# KiCad board panel_rp2354_20x20.kicad_pcb (continued)
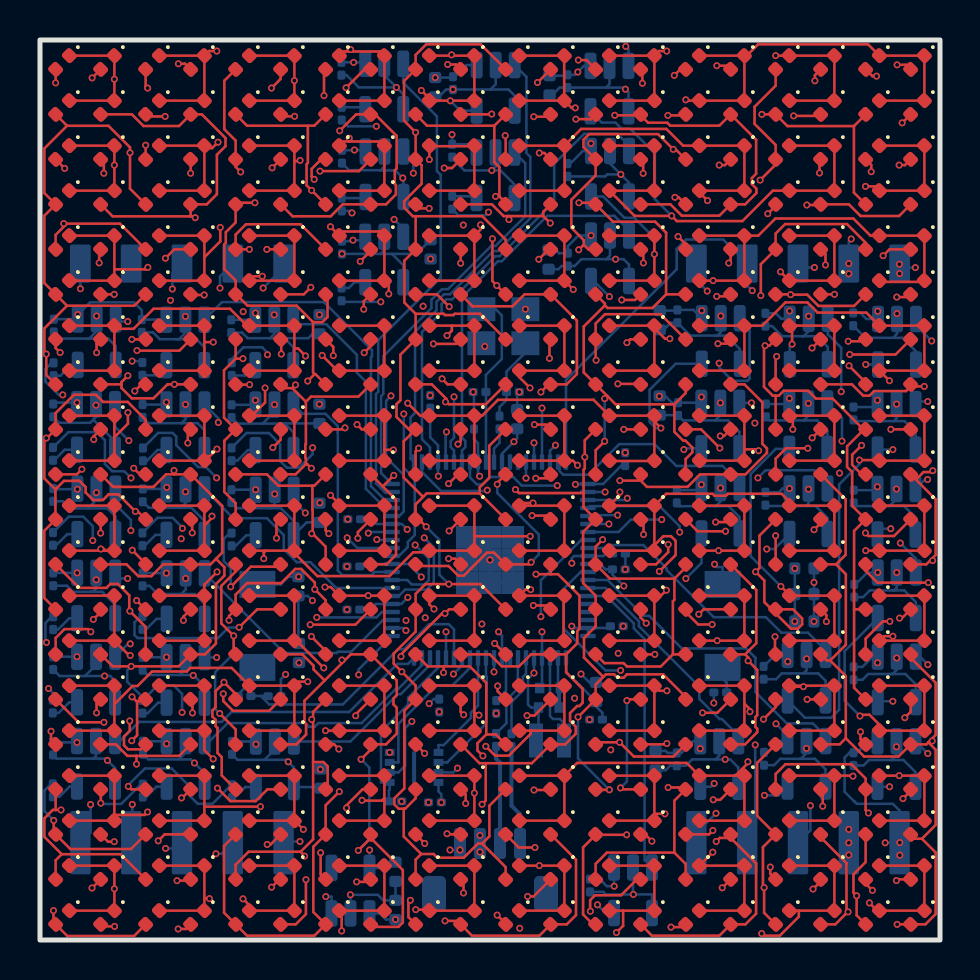
[diagram p0: board, top side]
## Placement (name value [footprint] x y rotation side) (continued)
D348  LED_T1  [LED_0402_1005Metric]  39.38 12.38 225 top
D349  LED_T1  [LED_0402_1005Metric]  39.38 7.88 225 top
D350  LED_T1  [LED_0402_1005Metric]  39.38 3.38 225 top
D351  LED_T1  [LED_0402_1005Metric]  43.88 3.38 225 top
D352  LED_T1  [LED_0402_1005Metric]  43.88 7.88 225 top
D353  LED_T1  [LED_0402_1005Metric]  43.88 12.38 225 top
D354  LED_T1  [LED_0402_1005Metric]  43.88 16.88 225 top
D355  LED_T1  [LED_0402_1005Metric]  43.88 21.38 225 top
D356  LED_T1  [LED_0402_1005Metric]  43.88 25.88 225 top
D357  LED_T1  [LED_0402_1005Metric]  43.88 30.38 225 top
D358  LED_T1  [LED_0402_1005Metric]  43.88 34.88 225 top
D359  LED_T1  [LED_0402_1005Metric]  43.88 39.38 225 top
D360  LED_T1  [LED_0402_1005Metric]  43.88 43.88 225 top
D361  LED_T2  [LED_0402_1005Metric]  37.12 41.62 225 top
D362  LED_T2  [LED_0402_1005Metric]  37.12 37.12 225 top
D363  LED_T2  [LED_0402_1005Metric]  37.12 32.62 225 top
D364  LED_T2  [LED_0402_1005Metric]  37.12 28.12 225 top
D365  LED_T2  [LED_0402_1005Metric]  37.12 23.62 225 top
D366  LED_T2  [LED_0402_1005Metric]  37.12 19.12 225 top
D367  LED_T2  [LED_0402_1005Metric]  37.12 14.62 225 top
D368  LED_T2  [LED_0402_1005Metric]  37.12 10.12 225 top
D369  LED_T2  [LED_0402_1005Metric]  37.12 5.62 225 top
D370  LED_T2  [LED_0402_1005Metric]  37.12 1.12 225 top
D371  LED_T2  [LED_0402_1005Metric]  41.62 1.12 225 top
D372  LED_T2  [LED_0402_1005Metric]  41.62 5.62 225 top
D373  LED_T2  [LED_0402_1005Metric]  41.62 10.12 225 top
D374  LED_T2  [LED_0402_1005Metric]  41.62 14.62 225 top
D375  LED_T2  [LED_0402_1005Metric]  41.62 19.12 225 top
D376  LED_T2  [LED_0402_1005Metric]  41.62 23.62 225 top
D377  LED_T2  [LED_0402_1005Metric]  41.62 28.12 225 top
D378  LED_T2  [LED_0402_1005Metric]  41.62 32.62 225 top
D379  LED_T2  [LED_0402_1005Metric]  41.62 37.12 225 top
D380  LED_T2  [LED_0402_1005Metric]  41.62 41.62 225 top
D381  LED_T3  [LED_0402_1005Metric]  39.38 41.62 225 top
D382  LED_T3  [LED_0402_1005Metric]  39.38 37.12 225 top
D383  LED_T3  [LED_0402_1005Metric]  39.38 32.62 225 top
D384  LED_T3  [LED_0402_1005Metric]  39.38 28.12 225 top
D385  LED_T3  [LED_0402_1005Metric]  39.38 23.62 225 top
D386  LED_T3  [LED_0402_1005Metric]  39.38 19.12 225 top
D387  LED_T3  [LED_0402_1005Metric]  39.38 14.62 225 top
D388  LED_T3  [LED_0402_1005Metric]  39.38 10.12 225 top
D389  LED_T3  [LED_0402_1005Metric]  39.38 5.62 225 top
D390  LED_T3  [LED_0402_1005Metric]  39.38 1.12 225 top
D391  LED_T3  [LED_0402_1005Metric]  43.88 1.12 225 top
D392  LED_T3  [LED_0402_1005Metric]  43.88 5.62 225 top
D393  LED_T3  [LED_0402_1005Metric]  43.88 10.12 225 top
D394  LED_T3  [LED_0402_1005Metric]  43.88 14.62 225 top
D395  LED_T3  [LED_0402_1005Metric]  43.88 19.12 225 top
D396  LED_T3  [LED_0402_1005Metric]  43.88 23.62 225 top
D397  LED_T3  [LED_0402_1005Metric]  43.88 28.12 225 top
D398  LED_T3  [LED_0402_1005Metric]  43.88 32.62 225 top
D399  LED_T3  [LED_0402_1005Metric]  43.88 37.12 225 top
D400  LED_T3  [LED_0402_1005Metric]  43.88 41.62 225 top
J1  Conn_01x04  [JST_SH_BM04B-SRSS-TB_1x04-1MP_P1.00mm_Vertical]  22.5 3.5 0 bottom
J2  Conn_01x05  [PinHeader_1x5_M20-8890545R]  37.9 4.86 0 bottom
J3  Conn_01x05  [PinHeader_1x5_M20-8890545R]  7.1 4.86 0 bottom
J4  Conn_01x05  [ConnRcpt_1x5_SMH-105-02-X-S]  37.9 41.1 0 bottom
J5  Conn_01x05  [ConnRcpt_1x5_SMH-105-02-X-S]  7.1 41.1 0 bottom
L1  3.3uH  [L_pol_2016]  25.5 9.97 0 bottom
R1  10k  [R_0201_0603Metric]  17.77 6.93 180 bottom
R2  1k  [R_0201_0603Metric]  34.01 12.38 180 bottom
R3  1k  [R_0201_0603Metric]  10.23 12.2 180 bottom
R4  10k  [R_0201_0603Metric]  11.73 12.19 180 bottom
R5  1k  [R_0201_0603Metric]  22.97 25.88 90 bottom
R6  33  [R_0201_0603Metric]  27.8 11.02 0 bottom
R7  27  [R_0201_0603Metric]  22.8 10 90 bottom
R8  27  [R_0201_0603Metric]  23.58 10 90 bottom
R9  270  [R_0201_0603Metric]  9.6 7.44 90 bottom
R10  165  [R_0201_0603Metric]  5.14 7.47 90 bottom
R11  165  [R_0201_0603Metric]  0.64 7.48 90 bottom
R12  270  [R_0201_0603Metric]  5.12 11.66 90 bottom
R13  270  [R_0201_0603Metric]  0.64 11.67 90 bottom
R14  165  [R_0201_0603Metric]  5.12 15.86 90 bottom
R15  165  [R_0201_0603Metric]  0.66 15.84 90 bottom
R16  270  [R_0201_0603Metric]  9.58 20.03 90 bottom
R17  270  [R_0201_0603Metric]  5.12 20.03 90 bottom
R18  165  [R_0201_0603Metric]  0.65 20.06 90 bottom
R19  165  [R_0201_0603Metric]  9.58 24.28 90 bottom
R20  270  [R_0201_0603Metric]  5.15 24.28 90 bottom
R21  270  [R_0201_0603Metric]  0.65 24.31 90 bottom
R22  165  [R_0201_0603Metric]  0.68 28.53 90 bottom
R23  165  [R_0201_0603Metric]  15.09 36.77 270 bottom
R24  270  [R_0201_0603Metric]  15.08 32.28 270 bottom
R25  270  [R_0201_0603Metric]  9.59 28.55 90 bottom
R26  165  [R_0201_0603Metric]  5.12 28.56 90 bottom
R27  165  [R_0201_0603Metric]  15.09 41.32 270 bottom
R28  270  [R_0201_0603Metric]  20.61 36.87 270 bottom
SW1  SW_Push  [TS-1088-AR02016]  10.87 15.7 270 bottom
SW2  SW_Push  [TS-1088-AR02016]  34.13 15.7 90 bottom
U1  APS6404L-3SQR  [flashmem_PSON50P300X200X60-9N]  18.7 8.63 0 bottom
U2  RP2354B_80QFN  [RP2350-QFN-80-1EP_10x10_P0.4mm_EP3.4x3.4mm_ThermalVias]  22.5 19 0 bottom
U3  UCC27517  [SOT-23-5]  11.74 8.78 270 bottom
U4  UCC27517  [SOT-23-5]  7.28 8.81 270 bottom
U5  UCC27517  [SOT-23-5]  2.8 8.81 270 bottom
U6  UCC27517  [SOT-23-5]  7.28 13 270 bottom
U7  UCC27517  [SOT-23-5]  2.8 13.02 270 bottom
U8  UCC27517  [SOT-23-5]  7.28 17.19 270 bottom
U9  UCC27517  [SOT-23-5]  2.81 17.22 270 bottom
U10  UCC27517  [SOT-23-5]  11.73 21.38 270 bottom
U11  UCC27517  [SOT-23-5]  7.27 21.39 270 bottom
U12  UCC27517  [SOT-23-5]  2.82 21.43 270 bottom
U13  UCC27517  [SOT-23-5]  11.73 25.63 270 bottom
U14  UCC27517  [SOT-23-5]  7.27 25.64 270 bottom
U15  UCC27517  [SOT-23-5]  2.8 25.65 270 bottom
U16  UCC27517  [SOT-23-5]  2.84 29.89 270 bottom
U17  UCC27517  [SOT-23-5]  17.22 38.29 270 bottom
U18  UCC27517  [SOT-23-5]  17.21 34.02 270 bottom
U19  UCC27517  [SOT-23-5]  11.72 29.88 270 bottom
U20  UCC27517  [SOT-23-5]  7.27 29.88 270 bottom
U21  UCC27517  [SOT-23-5]  17.21 42.67 270 bottom
U22  UCC27517  [SOT-23-5]  22.78 38.24 270 bottom
U23  UCC27517  [SOT-23-5]  22.78 42.61 270 bottom
U24  UCC27517  [SOT-23-5]  28.47 42.57 270 bottom
U25  UCC27517  [SOT-23-5]  28.5 38.31 270 bottom
U26  UCC27517  [SOT-23-5]  38.44 29.92 270 bottom
U27  UCC27517  [SOT-23-5]  34.04 29.95 270 bottom
U28  UCC27517  [SOT-23-5]  28.5 34.09 270 bottom
U29  UCC27517  [SOT-23-5]  38.42 25.69 270 bottom
U30  UCC27517  [SOT-23-5]  34.02 25.72 270 bottom
U31  UCC27517  [SOT-23-5]  42.85 29.91 270 bottom
U32  UCC27517  [SOT-23-5]  38.42 21.44 270 bottom
U33  UCC27517  [SOT-23-5]  34.03 21.46 270 bottom
U34  UCC27517  [SOT-23-5]  42.83 25.66 270 bottom
U35  UCC27517  [SOT-23-5]  42.84 17.24 270 bottom
U36  UCC27517  [SOT-23-5]  42.83 21.41 270 bottom
U37  UCC27517  [SOT-23-5]  42.84 13.03 270 bottom
U38  UCC27517  [SOT-23-5]  38.33 13.12 270 bottom
U39  UCC27517  [SOT-23-5]  42.83 8.8 270 bottom
U40  UCC27517  [SOT-23-5]  38.33 8.81 270 bottom
U41  UCC27517  [SOT-23-5]  33.96 8.8 270 bottom
U42  UCC27517  [SOT-23-5]  29.65 2.49 270 bottom
U43  AP2112K-3.3  [SOT-23-5]  15.53 2.47 90 bottom
Y1  ABM8-272-T3  [Crystal_SMD_3225-4Pin_3.2x2.5mm]  23.17 30.69 0 bottom

## Library data of the parts
C1 C2 = -: LCSC Part #: C541259; ki_fp_filters: C_*
C3 C6 C9-C18 = -: LCSC Part #: C76939; ki_fp_filters: C_*
C4 C5 C7 C8 = -: LCSC Part #: C368809; ki_fp_filters: C_*
C19-C58 = -: Description: Unpolarized capacitor, small symbol; LCSC Part #: C76939; ki_fp_filters: C_*
C59-C66 C69-C76 = -: Description: Unpolarized capacitor; LCSC Part #: C315248; ki_fp_filters: C_*
C67 C68 = -: LCSC Part #: C315248; ki_fp_filters: C_*
D1-D20 D61-D100 D141-D180 D221-D260 D301-D340 D381-D400 = -: Description: Light emitting diode; LCSC Part #: C273601; ki_fp_filters: LED* LED_SMD:* LED_THT:*
D21-D60 D101-D140 D181-D220 D261-D300 D341-D380 = -: Description: Light emitting diode; LCSC Part #: C131223; ki_fp_filters: LED* LED_SMD:* LED_THT:*
J1 = -: LCSC Part #: C160390; ki_fp_filters: Connector*:*_1x??_*
J2 J3 = -: LCSC Part #: C6585819; ki_fp_filters: Connector*:*_1x??_*
J4 J5 = -: LCSC Part #: C21116902; ki_fp_filters: Connector*:*_1x??_*
L1 = -: LCSC Part #: C42411119; ki_fp_filters: Choke_* *Coil* Inductor_* L_*
R1 R4 = -: LCSC Part #: C473048; ki_fp_filters: R_*
R2 R3 R5 = -: LCSC Part #: C270365; ki_fp_filters: R_*
R6 = -: LCSC Part #: C295794; ki_fp_filters: R_*
R7 R8 = -: LCSC Part #: C473051; ki_fp_filters: R_*
R9 R12 R13 R16 R17 R20 R21 R24 R25 R28 = -: LCSC Part #: C320799; ki_fp_filters: R_*
R10 R11 R14 R15 R18 R19 R22 R23 R26 R27 = -: LCSC Part #: C320715; ki_fp_filters: R_*
SW1 SW2 = -: LCSC Part #: C720477
U1 = -: LCSC Part #: C3040877
U2 = -: LCSC Part #: C39843328
U3-U42 = -: LCSC Part #: C99395
U43 = -: Datasheet: https://www.diodes.com/assets/Datasheets/AP2112.pdf; LCSC Part #: C51118; ki_fp_filters: SOT?23?5*
Y1 = -: LCSC Part #: C20625731; ki_fp_filters: Crystal*

## Footprints (pads in the part's own frame, mm; a bottom-side part is the same pattern mirrored in y, then rotated)
C_0201_0603Metric
  rrect 0.318x0.36 smd: (-0.345,0) (0.345,0)
  rrect 0.46x0.4 smd: 1(-0.32,0) 2(0.32,0)
C_0402_1005Metric
  rrect 0.56x0.62 smd: 1(-0.48,0) 2(0.48,0)
C_0402_1005Metric_small_pads
  rect 0.47x0.53 smd: 1(-0.515,0) 2(0.515,0)
ConnRcpt_1x5_SMH-105-02-X-S
  rrect 1.04x1.91 smd: 1(-5.08,7.277) 2(-2.54,7.277) 3(0,7.277) 4(2.54,7.277) 5(5.08,7.277)
Crystal_SMD_3225-4Pin_3.2x2.5mm
  rect 1.4x1.2 smd: 1(-1.1,-0.85) 2(1.1,-0.85) 3(1.1,0.85) 4(-1.1,0.85)
flashmem_PSON50P300X200X60-9N
  rect 0.49x0.35 smd: 1(-1.22,0.75) 2(-1.22,0.25) 3(-1.22,-0.25) 4(-1.22,-0.75) 5(1.22,-0.75) 6(1.22,-0.25) 7(1.22,0.25) 8(1.22,0.75)
  rect 0.2x1.6 smd: 9(0,0)
JST_SH_BM04B-SRSS-TB_1x04-1MP_P1.00mm_Vertical
  rrect 0.6x1.55 smd: 1(-1.5,-1.325) 2(-0.5,-1.325) 3(0.5,-1.325) 4(1.5,-1.325)
  rrect 1.2x1.8 smd: MP(-2.8,1.2) MP(2.8,1.2)
L_pol_2016
  rect 0.7x1.7 smd: 1(-0.7,0) 2(0.7,0)
LED_0402_1005Metric
  rrect 0.59x0.64 smd: 1(-0.485,0) 2(0.485,0)
PinHeader_1x5_M20-8890545R
  rrect 1.02x3.17 smd: 1(-5.08,0) 2(-2.54,0) 3(0,0) 4(2.54,0) 5(5.08,0)
R_0201_0603Metric
  rrect 0.318x0.36 smd: (-0.345,0) (0.345,0)
  rrect 0.46x0.4 smd: 1(-0.32,0) 2(0.32,0)
RP2350-QFN-80-1EP_10x10_P0.4mm_EP3.4x3.4mm_ThermalVias
  rrect 1.2x1.2 smd: (-0.7,-0.7) (-0.7,0.7) (0.7,-0.7) (0.7,0.7)
  rrect 0.78x0.22 smd: 1(-4.896,3.8) 2(-4.896,3.4) 3(-4.896,3) 4(-4.896,2.6) 5(-4.896,2.2) 6(-4.896,1.8) 7(-4.896,1.4) 8(-4.896,1) 9(-4.896,0.6) 10(-4.896,0.2) 11(-4.896,-0.2) 12(-4.896,-0.6) 13(-4.896,-1) 14(-4.896,-1.4) 15(-4.896,-1.8) 16(-4.896,-2.2) 17(-4.896,-2.6) 18(-4.896,-3) 19(-4.896,-3.4) 20(-4.896,-3.8) 41(4.896,-3.8) 42(4.896,-3.4) 43(4.896,-3) 44(4.896,-2.6) 45(4.896,-2.2) 46(4.896,-1.8) 47(4.896,-1.4) 48(4.896,-1) 49(4.896,-0.6) 50(4.896,-0.2) 51(4.896,0.2) 52(4.896,0.6) 53(4.896,1) 54(4.896,1.4) 55(4.896,1.8) 56(4.896,2.2) 57(4.896,2.6) 58(4.896,3) 59(4.896,3.4) 60(4.896,3.8)
  rrect 0.22x0.78 smd: 21(-3.8,-4.896) 22(-3.4,-4.896) 23(-3,-4.896) 24(-2.6,-4.896) 25(-2.2,-4.896) 26(-1.8,-4.896) 27(-1.4,-4.896) 28(-1,-4.896) 29(-0.6,-4.896) 30(-0.2,-4.896) 31(0.2,-4.896) 32(0.6,-4.896) 33(1,-4.896) 34(1.4,-4.896) 35(1.8,-4.896) 36(2.2,-4.896) 37(2.6,-4.896) 38(3,-4.896) 39(3.4,-4.896) 40(3.8,-4.896) 61(3.8,4.896) 62(3.4,4.896) 63(3,4.896) 64(2.6,4.896) 65(2.2,4.896) 66(1.8,4.896) 67(1.4,4.896) 68(1,4.896) 69(0.6,4.896) 70(0.2,4.896) 71(-0.2,4.896) 72(-0.6,4.896) 73(-1,4.896) 74(-1.4,4.896) 75(-1.8,4.896) 76(-2.2,4.896) 77(-2.6,4.896) 78(-3,4.896) 79(-3.4,4.896) 80(-3.8,4.896)
  rect 1.133x1.133 smd: 81(-1.133,-1.133) 81(-1.133,0) 81(-1.133,1.133) 81(0,-1.133) 81(0,0) 81(0,1.133) 81(1.133,-1.133) 81(1.133,0) 81(1.133,1.133)
SOT-23-5
  rrect 1.325x0.6 smd: 1(-1.137,0.95) 2(-1.137,0) 3(-1.137,-0.95) 4(1.137,-0.95) 5(1.137,0.95)
TS-1088-AR02016
  rect 1.35x1.8 smd: 1(-2.075,0) 2(2.075,0)

## Nets
+1V1: C5.1 C6.1 C8.1 C9.1 L1.1 U2.10 U2.32 U2.51 U2.65
+3V3: C3.1 C4.1 C10.1 C11.1 C12.1 C13.1 C14.1 C15.1 C16.1 C17.1 C18.1 C68.1 R1.1 R4.1 R6.1 U1.8 U2.5 U2.15 U2.24 U2.29 U2.41 U2.50 U2.59 U2.60 U2.64 U2.68 U2.69 U2.76 U43.5
+5V: C19.1 C20.1 C21.1 C22.1 C23.1 C24.1 C25.1 C26.1 C27.1 C28.1 C29.1 C30.1 C31.1 C32.1 C33.1 C34.1 C35.1 C36.1 C37.1 C38.1 C39.1 C40.1 C41.1 C42.1 C43.1 C44.1 C45.1 C46.1 C47.1 C48.1 C49.1 C50.1 C51.1 C52.1 C53.1 C54.1 C55.1 C56.1 C57.1 C58.1 C59.1 C60.1 C61.1 C62.1 C63.1 C64.1 C65.1 C66.1 C67.1 C69.1 C70.1 C71.1 C72.1 C73.1 C74.1 C75.1 C76.1 J1.2 J2.5 J4.5 U3.1 U4.1 U5.1 U6.1 U7.1 U8.1 U9.1 U10.1 U11.1 U12.1 U13.1 U14.1 U15.1 U16.1 U17.1 U18.1 U19.1 U20.1 U21.1 U22.1 U23.1 U24.1 U25.1 U26.1 U27.1 U28.1 U29.1 U30.1 U31.1 U32.1 U33.1 U34.1 U35.1 U36.1 U37.1 U38.1 U39.1 U40.1 U41.1 U42.1 U43.1 U43.3
GND: C1.2 C2.2 C3.2 C4.2 C5.2 C6.2 C7.2 C8.2 C9.2 C10.2 C11.2 C12.2 C13.2 C14.2 C15.2 C16.2 C17.2 C18.2 C19.2 C20.2 C21.2 C22.2 C23.2 C24.2 C25.2 C26.2 C27.2 C28.2 C29.2 C30.2 C31.2 C32.2 C33.2 C34.2 C35.2 C36.2 C37.2 C38.2 C39.2 C40.2 C41.2 C42.2 C43.2 C44.2 C45.2 C46.2 C47.2 C48.2 C49.2 C50.2 C51.2 C52.2 C53.2 C54.2 C55.2 C56.2 C57.2 C58.2 C59.2 C60.2 C61.2 C62.2 C63.2 C64.2 C65.2 C66.2 C67.2 C68.2 C69.2 C70.2 C71.2 C72.2 C73.2 C74.2 C75.2 C76.2 J1.1 J2.4 J4.4 R2.2 SW1.1 U1.4 U2.62 U2.81 U3.2 U3.4 U4.2 U4.4 U5.2 U5.4 U6.2 U6.4 U7.2 U7.4 U8.2 U8.4 U9.2 U9.4 U10.2 U10.4 U11.2 U11.4 U12.2 U12.4 U13.2 U13.4 U14.2 U14.4 U15.2 U15.4 U16.2 U16.4 U17.2 U17.4 U18.2 U18.4 U19.2 U19.4 U20.2 U20.4 U21.2 U21.4 U22.2 U22.4 U23.2 U23.4 U24.2 U24.4 U25.2 U25.4 U26.2 U26.4 U27.2 U27.4 U28.2 U28.4 U29.2 U29.4 U30.2 U30.4 U31.2 U31.4 U32.2 U32.4 U33.2 U33.4 U34.2 U34.4 U35.2 U35.4 U36.2 U36.4 U37.2 U37.4 U38.2 U38.4 U39.2 U39.4 U40.2 U40.4 U41.2 U41.4 U42.2 U42.4 U43.2 Y1.2 Y1.4
/drivers/COL_00: R9.1 U3.5
/drivers/COL_01: R10.1 U4.5
/drivers/COL_02: R11.1 U5.5
/drivers/COL_03: R12.1 U6.5
/drivers/COL_04: R13.1 U7.5
/drivers/COL_05: R14.1 U8.5
/drivers/COL_06: R15.1 U9.5
/drivers/COL_07: R16.1 U10.5
/drivers/COL_08: R17.1 U11.5
/drivers/COL_09: R18.1 U12.5
/drivers/COL_10: R19.1 U13.5
/drivers/COL_11: R20.1 U14.5
/drivers/COL_12: R21.1 U15.5
/drivers/COL_13: R22.1 U16.5
/drivers/COL_14: R23.1 U17.5
/drivers/COL_15: R24.1 U18.5
/drivers/COL_16: R25.1 U19.5
/drivers/COL_17: R26.1 U20.5
/drivers/COL_18: R27.1 U21.5
/drivers/COL_19: R28.1 U22.5
/drivers/COL_MCU_00: U2.78 U3.3
/drivers/COL_MCU_01: U2.79 U4.3
/drivers/COL_MCU_02: U2.80 U5.3
/drivers/COL_MCU_03: U2.1 U6.3
/drivers/COL_MCU_04: U2.2 U7.3
/drivers/COL_MCU_05: U2.3 U8.3
/drivers/COL_MCU_06: U2.4 U9.3
/drivers/COL_MCU_07: U2.6 U10.3
/drivers/COL_MCU_08: U2.7 U11.3
/drivers/COL_MCU_09: U2.8 U12.3
/drivers/COL_MCU_10: U2.9 U13.3
/drivers/COL_MCU_11: U2.11 U14.3
/drivers/COL_MCU_12: U2.12 U15.3
/drivers/COL_MCU_13: U2.13 U16.3
/drivers/COL_MCU_14: U2.14 U17.3
/drivers/COL_MCU_15: U2.16 U18.3
/drivers/COL_MCU_16: U2.17 U19.3
/drivers/COL_MCU_17: U2.18 U20.3
/drivers/COL_MCU_18: U2.19 U21.3
/drivers/COL_MCU_19: U2.20 U22.3
/drivers/ROW_00: D1.1 D21.1 D41.1 D61.1 D81.1 D101.1 D121.1 D141.1 D161.1 D181.1 D201.1 D221.1 D241.1 D261.1 D281.1 D301.1 D321.1 D341.1 D361.1 D381.1 U23.5
/drivers/ROW_01: D2.1 D22.1 D42.1 D62.1 D82.1 D102.1 D122.1 D142.1 D162.1 D182.1 D202.1 D222.1 D242.1 D262.1 D282.1 D302.1 D322.1 D342.1 D362.1 D382.1 U24.5
/drivers/ROW_02: D3.1 D23.1 D43.1 D63.1 D83.1 D103.1 D123.1 D143.1 D163.1 D183.1 D203.1 D223.1 D243.1 D263.1 D283.1 D303.1 D323.1 D343.1 D363.1 D383.1 U25.5
/drivers/ROW_03: D4.1 D24.1 D44.1 D64.1 D84.1 D104.1 D124.1 D144.1 D164.1 D184.1 D204.1 D224.1 D244.1 D264.1 D284.1 D304.1 D324.1 D344.1 D364.1 D384.1 U26.5
/drivers/ROW_04: D5.1 D25.1 D45.1 D65.1 D85.1 D105.1 D125.1 D145.1 D165.1 D185.1 D205.1 D225.1 D245.1 D265.1 D285.1 D305.1 D325.1 D345.1 D365.1 D385.1 U27.5
/drivers/ROW_05: D6.1 D26.1 D46.1 D66.1 D86.1 D106.1 D126.1 D146.1 D166.1 D186.1 D206.1 D226.1 D246.1 D266.1 D286.1 D306.1 D326.1 D346.1 D366.1 D386.1 U28.5
/drivers/ROW_06: D7.1 D27.1 D47.1 D67.1 D87.1 D107.1 D127.1 D147.1 D167.1 D187.1 D207.1 D227.1 D247.1 D267.1 D287.1 D307.1 D327.1 D347.1 D367.1 D387.1 U29.5
/drivers/ROW_07: D8.1 D28.1 D48.1 D68.1 D88.1 D108.1 D128.1 D148.1 D168.1 D188.1 D208.1 D228.1 D248.1 D268.1 D288.1 D308.1 D328.1 D348.1 D368.1 D388.1 U30.5
/drivers/ROW_08: D9.1 D29.1 D49.1 D69.1 D89.1 D109.1 D129.1 D149.1 D169.1 D189.1 D209.1 D229.1 D249.1 D269.1 D289.1 D309.1 D329.1 D349.1 D369.1 D389.1 U31.5
/drivers/ROW_09: D10.1 D30.1 D50.1 D70.1 D90.1 D110.1 D130.1 D150.1 D170.1 D190.1 D210.1 D230.1 D250.1 D270.1 D290.1 D310.1 D330.1 D350.1 D370.1 D390.1 U32.5
/drivers/ROW_10: D11.1 D31.1 D51.1 D71.1 D91.1 D111.1 D131.1 D151.1 D171.1 D191.1 D211.1 D231.1 D251.1 D271.1 D291.1 D311.1 D331.1 D351.1 D371.1 D391.1 U33.5
/drivers/ROW_11: D12.1 D32.1 D52.1 D72.1 D92.1 D112.1 D132.1 D152.1 D172.1 D192.1 D212.1 D232.1 D252.1 D272.1 D292.1 D312.1 D332.1 D352.1 D372.1 D392.1 U34.5
/drivers/ROW_12: D13.1 D33.1 D53.1 D73.1 D93.1 D113.1 D133.1 D153.1 D173.1 D193.1 D213.1 D233.1 D253.1 D273.1 D293.1 D313.1 D333.1 D353.1 D373.1 D393.1 U35.5
/drivers/ROW_13: D14.1 D34.1 D54.1 D74.1 D94.1 D114.1 D134.1 D154.1 D174.1 D194.1 D214.1 D234.1 D254.1 D274.1 D294.1 D314.1 D334.1 D354.1 D374.1 D394.1 U36.5
/drivers/ROW_14: D15.1 D35.1 D55.1 D75.1 D95.1 D115.1 D135.1 D155.1 D175.1 D195.1 D215.1 D235.1 D255.1 D275.1 D295.1 D315.1 D335.1 D355.1 D375.1 D395.1 U37.5
/drivers/ROW_15: D16.1 D36.1 D56.1 D76.1 D96.1 D116.1 D136.1 D156.1 D176.1 D196.1 D216.1 D236.1 D256.1 D276.1 D296.1 D316.1 D336.1 D356.1 D376.1 D396.1 U38.5
/drivers/ROW_16: D17.1 D37.1 D57.1 D77.1 D97.1 D117.1 D137.1 D157.1 D177.1 D197.1 D217.1 D237.1 D257.1 D277.1 D297.1 D317.1 D337.1 D357.1 D377.1 D397.1 U39.5
/drivers/ROW_17: D18.1 D38.1 D58.1 D78.1 D98.1 D118.1 D138.1 D158.1 D178.1 D198.1 D218.1 D238.1 D258.1 D278.1 D298.1 D318.1 D338.1 D358.1 D378.1 D398.1 U40.5
/drivers/ROW_18: D19.1 D39.1 D59.1 D79.1 D99.1 D119.1 D139.1 D159.1 D179.1 D199.1 D219.1 D239.1 D259.1 D279.1 D299.1 D319.1 D339.1 D359.1 D379.1 D399.1 U41.5
/drivers/ROW_19: D20.1 D40.1 D60.1 D80.1 D100.1 D120.1 D140.1 D160.1 D180.1 D200.1 D220.1 D240.1 D260.1 D280.1 D300.1 D320.1 D340.1 D360.1 D380.1 D400.1 U42.5
/drivers/ROW_MCU_00: U2.21 U23.3
/drivers/ROW_MCU_01: U2.22 U24.3
/drivers/ROW_MCU_02: U2.23 U25.3
/drivers/ROW_MCU_03: U2.25 U26.3
/drivers/ROW_MCU_04: U2.26 U27.3
/drivers/ROW_MCU_05: U2.27 U28.3
/drivers/ROW_MCU_06: U2.28 U29.3
/drivers/ROW_MCU_07: U2.36 U30.3
/drivers/ROW_MCU_08: U2.37 U31.3
/drivers/ROW_MCU_09: U2.38 U32.3
/drivers/ROW_MCU_10: U2.39 U33.3
/drivers/ROW_MCU_11: U2.45 U34.3
/drivers/ROW_MCU_12: U2.46 U35.3
/drivers/ROW_MCU_13: U2.47 U36.3
/drivers/ROW_MCU_14: U2.48 U37.3
/drivers/ROW_MCU_15: U2.49 U38.3
/drivers/ROW_MCU_16: U2.52 U39.3
/drivers/ROW_MCU_17: U2.53 U40.3
/drivers/ROW_MCU_18: U2.54 U41.3
/drivers/ROW_MCU_19: U2.55 U42.3
/panel_header/CS0: J3.5 U2.42
/panel_header/CS1: J3.4 J5.5
/panel_header/CS2: J3.3 J5.4
/panel_header/CS4: J3.2 J5.3
/panel_header/EINT: J3.1 J5.1
/panel_header/MISO: J2.1 J4.1 U2.44
/panel_header/MOSI: J2.2 J4.2 U2.40
/panel_header/SCK: J2.3 J4.3 U2.43
/panel_mcu/D+: J1.3 R7.1
/panel_mcu/D-: J1.4 R8.1
/panel_mcu/QSPI_SCLK: U1.6 U2.71
/panel_mcu/QSPI_SD0: U1.5 U2.72
/panel_mcu/QSPI_SD1: U1.2 U2.74
/panel_mcu/QSPI_SD2: U1.3 U2.73
/panel_mcu/QSPI_SD3: U1.7 U2.70
/panel_mcu/QSPI_SS: R3.1 R4.2 U2.75
/panel_mcu/RUN: SW2.2 U2.35
/panel_mcu/VREG_AVDD: C7.1 R6.2 U2.61
/panel_mcu/VREG_LX: L1.2 U2.63
/panel_mcu/XIN: C1.1 U2.30 Y1.1
/panel_mcu/XIP_CS1n: R1.2 U1.1 U2.77
/panel_mcu/XOUT: R5.1 U2.31
/panel_mcu/~{USB_BOOT}: R3.2 SW1.2
Net-(C2-Pad1): C2.1 R5.2 Y1.3
Net-(D1-A): D1.2 D2.2 D3.2 D4.2 D5.2 D6.2 D7.2 D8.2 D9.2 D10.2 D11.2 D12.2 D13.2 D14.2 D15.2 D16.2 D17.2 D18.2 D19.2 D20.2 R9.2
Net-(D21-A): D21.2 D22.2 D23.2 D24.2 D25.2 D26.2 D27.2 D28.2 D29.2 D30.2 D31.2 D32.2 D33.2 D34.2 D35.2 D36.2 D37.2 D38.2 D39.2 D40.2 R10.2
Net-(D41-A): D41.2 D42.2 D43.2 D44.2 D45.2 D46.2 D47.2 D48.2 D49.2 D50.2 D51.2 D52.2 D53.2 D54.2 D55.2 D56.2 D57.2 D58.2 D59.2 D60.2 R11.2
Net-(D61-A): D61.2 D62.2 D63.2 D64.2 D65.2 D66.2 D67.2 D68.2 D69.2 D70.2 D71.2 D72.2 D73.2 D74.2 D75.2 D76.2 D77.2 D78.2 D79.2 D80.2 R12.2
Net-(D100-A): D81.2 D82.2 D83.2 D84.2 D85.2 D86.2 D87.2 D88.2 D89.2 D90.2 D91.2 D92.2 D93.2 D94.2 D95.2 D96.2 D97.2 D98.2 D99.2 D100.2 R13.2
Net-(D101-A): D101.2 D102.2 D103.2 D104.2 D105.2 D106.2 D107.2 D108.2 D109.2 D110.2 D111.2 D112.2 D113.2 D114.2 D115.2 D116.2 D117.2 D118.2 D119.2 D120.2 R14.2
Net-(D121-A): D121.2 D122.2 D123.2 D124.2 D125.2 D126.2 D127.2 D128.2 D129.2 D130.2 D131.2 D132.2 D133.2 D134.2 D135.2 D136.2 D137.2 D138.2 D139.2 D140.2 R15.2
Net-(D141-A): D141.2 D142.2 D143.2 D144.2 D145.2 D146.2 D147.2 D148.2 D149.2 D150.2 D151.2 D152.2 D153.2 D154.2 D155.2 D156.2 D157.2 D158.2 D159.2 D160.2 R16.2
Net-(D161-A): D161.2 D162.2 D163.2 D164.2 D165.2 D166.2 D167.2 D168.2 D169.2 D170.2 D171.2 D172.2 D173.2 D174.2 D175.2 D176.2 D177.2 D178.2 D179.2 D180.2 R17.2
Net-(D181-A): D181.2 D182.2 D183.2 D184.2 D185.2 D186.2 D187.2 D188.2 D189.2 D190.2 D191.2 D192.2 D193.2 D194.2 D195.2 D196.2 D197.2 D198.2 D199.2 D200.2 R18.2
Net-(D201-A): D201.2 D202.2 D203.2 D204.2 D205.2 D206.2 D207.2 D208.2 D209.2 D210.2 D211.2 D212.2 D213.2 D214.2 D215.2 D216.2 D217.2 D218.2 D219.2 D220.2 R19.2
Net-(D221-A): D221.2 D222.2 D223.2 D224.2 D225.2 D226.2 D227.2 D228.2 D229.2 D230.2 D231.2 D232.2 D233.2 D234.2 D235.2 D236.2 D237.2 D238.2 D239.2 D240.2 R20.2
Net-(D241-A): D241.2 D242.2 D243.2 D244.2 D245.2 D246.2 D247.2 D248.2 D249.2 D250.2 D251.2 D252.2 D253.2 D254.2 D255.2 D256.2 D257.2 D258.2 D259.2 D260.2 R21.2
Net-(D261-A): D261.2 D262.2 D263.2 D264.2 D265.2 D266.2 D267.2 D268.2 D269.2 D270.2 D271.2 D272.2 D273.2 D274.2 D275.2 D276.2 D277.2 D278.2 D279.2 D280.2 R22.2
Net-(D281-A): D281.2 D282.2 D283.2 D284.2 D285.2 D286.2 D287.2 D288.2 D289.2 D290.2 D291.2 D292.2 D293.2 D294.2 D295.2 D296.2 D297.2 D298.2 D299.2 D300.2 R23.2
Net-(D301-A): D301.2 D302.2 D303.2 D304.2 D305.2 D306.2 D307.2 D308.2 D309.2 D310.2 D311.2 D312.2 D313.2 D314.2 D315.2 D316.2 D317.2 D318.2 D319.2 D320.2 R24.2
Net-(D321-A): D321.2 D322.2 D323.2 D324.2 D325.2 D326.2 D327.2 D328.2 D329.2 D330.2 D331.2 D332.2 D333.2 D334.2 D335.2 D336.2 D337.2 D338.2 D339.2 D340.2 R25.2
Net-(D341-A): D341.2 D342.2 D343.2 D344.2 D345.2 D346.2 D347.2 D348.2 D349.2 D350.2 D351.2 D352.2 D353.2 D354.2 D355.2 D356.2 D357.2 D358.2 D359.2 D360.2 R26.2
Net-(D361-A): D361.2 D362.2 D363.2 D364.2 D365.2 D366.2 D367.2 D368.2 D369.2 D370.2 D371.2 D372.2 D373.2 D374.2 D375.2 D376.2 D377.2 D378.2 D379.2 D380.2 R27.2
Net-(D381-A): D381.2 D382.2 D383.2 D384.2 D385.2 D386.2 D387.2 D388.2 D389.2 D390.2 D391.2 D392.2 D393.2 D394.2 D395.2 D396.2 D397.2 D398.2 D399.2 D400.2 R28.2
Net-(R2-Pad1): R2.1 SW2.1
Net-(U2-USB_DM): R8.2 U2.66
Net-(U2-USB_DP): R7.2 U2.67

Pads without a net: J1 MP; J5 2; U1 9; U2 33 34 56 57 58; U43 4

## Via types
v1: diameter 0.35, hole 0.2, Top to Bottom, 639 vias

## Routing (per net, layer and track width the routed paths; a pad name or vN(x,y) marks a point on that pad's centre or on a via; arc(x,y) is an arc through that point)
+1V1: length 37.2
  In1.Cu w0.127: v1(28.91,14.33) 25.68,14.33 v1(24.7,13.35) 23.64,13.35 20.61,16.38 20.61,16.6 v1(19.06,18.15)
  In2.Cu w0.127: v1(19.06,18.15) 19.06,18.44 23.7,23.08 v1(23.7,24.92) ; v1(28.91,14.33) 28.79,14.45 28.79,17.3 v1(29.19,17.7)
  Bottom w0.127: C8.1 23.86,25.08 v1(23.7,24.92) 23.1,24.32 U2.32 ; U2.51 28.01,18.8 28.28,18.53 C9.1 28.62,18.27 v1(29.19,17.7) ; C6.1 16.65,18.68 16.77,18.8 U2.10 18.41,18.8 v1(19.06,18.15) ; L1.1 24.92,10.1 C5.1 24.55,11.62 24.4,11.78 24.4,13.05 v1(24.7,13.35) U2.65
+3V3: length 91.1
  In2.Cu w0.127: 16.48,13.39 16.48,15.22 v1(18.39,17.13) 18.39,20.5 v1(18.36,20.53) 18.36,21.63 v1(19.92,23.19) v1(21.98,23.19) ; 16.48,13.39 16.48,11.04 ; 16.48,13.39 16.61,13.39 18.25,15.03 18.89,15.03 ; v1(16.48,4.5) 16.48,6.65 ; 16.48,6.65 16.48,11.04 ; 16.48,6.65 16.76,6.93 v1(18.08,6.93) 18.56,6.45 19.64,6.45 v1(20.06,6.88) ; 16.48,11.04 15.73,11.79 12.91,11.79 12.28,12.42 v1(12.28,13.28) ; 25.94,15.04 25.93,15.04 25.57,15.4 25.11,15.4 v1(25.1,15.41) v1(22.93,15.41) v1(20.3,15.41) 19.91,15.41 19.53,15.03 18.89,15.03 ; 25.94,15.04 v1(26.59,15.69) v1(26.59,18.84) 26.59,22.6 v1(26.77,22.78) ; 25.94,15.04 27.48,13.5 v1(27.48,11.02) ; v1(19.46,11.82) 19.46,14.46 18.89,15.03
  Bottom w0.127: v1(26.59,15.69) 26.68,15.6 U2.59 ; 20.06,7.08 20.06,7.28 19.92,7.42 U1.8 ; 20.06,7.08 20.06,7.08 19.91,6.93 ; 20.06,7.08 v1(20.06,6.88) ; v1(19.92,23.19) 19.9,23.21 U2.24 19.9,24.74 19.51,25.13 C12.1 ; 23.3,14.1 U2.68 ; 23.3,14.1 23.3,12.46 C17.1 ; 23.3,14.1 U2.69 23.1,15.21 22.93,15.38 ; U2.59 28.43,15.6 C16.1 ; U2.59 U2.60 ; C10.1 16.51,16.52 16.79,16.8 U2.5 18.06,16.8 v1(18.39,17.13) ; R4.1 12.05,13.05 v1(12.28,13.28) ; 22.93,15.38 22.93,15.35 ; 22.93,15.38 v1(22.93,15.41) ; C18.1 19.68,12.05 v1(19.46,11.82) ; v1(25.1,15.41) U2.64 25.1,12.72 C4.1 ; v1(18.36,20.53) 18.09,20.8 U2.15 16.81,20.8 16.57,21.04 C11.1 ; C68.1 17.19,3.89 16.91,3.61 U43.5 16.47,4 16.48,4.01 v1(16.48,4.5) ; C15.1 28.29,19.32 28.17,19.2 U2.50 26.7,19.2 26.59,19.09 v1(26.59,18.84) ; U2.76 v1(20.3,15.41) ; C13.1 21.7,25.04 21.9,24.84 U2.29 21.9,23.27 v1(21.98,23.19) ; v1(26.77,22.78) 26.79,22.8 U2.41 28.15,22.8 29.08,23.72 29.26,23.72
+5V: length 91.2
  Bottom w0.127: U18.1 16.09,34.99 v1(15.65,34.99) 15.61,34.95 C34.1 ; C56.1 36.38,9.38 36.95,9.95 U40.1 37.38,10.23 v1(36.8,10.81) ; v1(17.78,1.03) 17.3,1.03 16.99,1.33 U43.1 16.47,1.62 16.48,1.63 ; J2.5 42.98,5.72 ; J2.5 42.98,5.72 ; J2.5 42.98,4.25 v1(42.99,4.24) ; J2.5 42.27,4.86 v1(42.26,4.86) ; J2.5 42.98,4.86 v1(42.99,4.87) ; J2.5 42.98,6.47 42.64,6.81 40.84,6.81 40.73,6.92 40.72,6.92 40.23,7.41 40.23,9.12 40.48,9.36 C55.1 40.84,9.36 41.42,9.94 U39.1 41.88,10.34 ; 42.98,5.72 42.98,6.13 ; C24.1 v1(6.32,18.34) U8.1 ; U24.1 27.2,43.71 v1(26.89,43.4) 26.75,43.26 C40.1 26.33,43.22 25.48,43.22 ; U43.3 14.58,2.16 14.56,2.17 v1(14.29,2.17) ; v1(22,4.4) J1.2 v1(22,5.23) ; v1(33.09,31.47) 33.09,31.47 U27.1 32.67,31.51 C43.1 31.83,31.47 C72.1 ; C32.1 1.88,31.04 U16.1 1.88,31.27 v1(1.89,31.27) 2.5,31.88 4.7,31.88 5.09,31.49 C36.1 6.31,31.02 U20.1 ; v1(41.88,13.86) 41.89,13.87 U37.1 41.64,14.17 41.12,13.66 40.68,13.66 ; U21.1 16.19,43.88 v1(15.68,43.88) 15.67,43.88 C37.1 ; v1(37.47,22.58) 37.12,22.58 36.94,22.39 C48.1 ; v1(13.62,16.97) 13.39,17.2 C59.1 12.92,14.86 C62.1 ; C30.1 6.32,26.77 U14.1 6.33,26.89 v1(6.32,26.89) ; v1(6.33,9.81) 6.33,9.81 U4.1 6.33,9.94 5.15,9.94 ; U42.1 28.7,2.7 v1(28.71,2.69) 28.34,2.69 27.98,3.05 C58.1 ; C50.1 41.73,26.65 U34.1 41.88,26.98 v1(41.87,26.99) ; C71.1 v1(30.97,27.19) 31.27,27.19 31.59,26.87 C46.1 33.06,26.87 U30.1 33.07,27.15 v1(33.07,27.15) ; v1(37.74,18.58) C61.1 v1(37.74,15.93) ; 21.83,43.74 21.31,43.74 20.73,43.16 C39.1 20.61,43.12 v1(19.76,43.12) ; C64.1 v1(13.99,21.86) ; C74.1 v1(13.97,31.26) ; C52.1 41.81,22.49 U36.1 41.88,22.66 v1(41.87,22.66) ; 0.66,22.58 0.7,22.54 v1(1.87,22.54) U12.1 ; v1(37.47,27.08) 37.47,27.08 U29.1 37.43,26.8 C45.1 ; C41.1 26.51,38.82 27.14,39.45 U25.1 v1(27.55,39.83) ; U10.1 v1(10.78,22.52) 9.57,22.52 ; v1(41.89,18.38) 41.36,18.38 40.77,17.78 C51.1 ; v1(37.48,31.45) 37.49,31.44 U26.1 37.07,31.06 37.07,31.06 36.8,31.34 C42.1 ; U9.1 v1(1.85,18.36) 0.66,18.36 ; 42.98,33.8 J4.5 42.98,33.8 ; 42.98,33.8 v1(42.98,33.32) ; 42.98,33.8 v1(42.97,33.79) 43.14,33.62 v1(43.77,33.62) ; C21.1 0.66,9.88 v1(1.85,9.88) U5.1 ; v1(33.01,9.57) 33.01,9.57 U41.1 32.66,9.94 32.07,9.35 C57.1 31.39,9.35 31.28,9.45 C65.1 ; 16.28,39.42 16.2,39.5 v1(15.72,39.5) 15.7,39.48 C33.1 ; v1(10.77,26.99) 10.77,26.98 U13.1 10.77,26.76 C29.1 ; v1(41.89,31.44) 41.9,31.43 U31.1 41.32,31.05 41.02,31.35 C47.1 ; v1(10.77,31.35) 10.77,31.34 U19.1 10.76,31.01 C35.1 ; v1(14.02,8.53) 14.03,8.54 C66.1 ; v1(6.34,22.63) 6.33,22.61 U11.1 6.3,22.56 5.14,22.56 ; v1(37.39,13.92) 37.38,13.93 U38.1 36.81,14.25 36.8,14.24 36.74,14.24 C54.1 ; v1(27.55,35.23) 26.92,35.23 26.39,34.69 C44.1 25.97,34.34 25.96,34.33 25.79,34.5 C73.1 ; C31.1 0.73,26.87 v1(1.85,26.87) U15.1 ; v1(33.07,22.77) 33.08,22.77 U33.1 32.97,22.5 31.84,22.5 ; 5.13,14.14 6.32,14.14 v1(6.33,14.14) ; U7.1 v1(1.85,14.17) C23.1 ; C19.1 10.79,9.92 U3.1 10.79,9.8 v1(10.8,9.79) ; U22.1 21.42,39.78 20.61,39.78 20.61,40.26 v1(20.6,40.27)
  vias: v1(13.97,26.79) v1(19.53,34.05)
